# KiCad board we816.kicad_pcb
date: 20 jan 2013
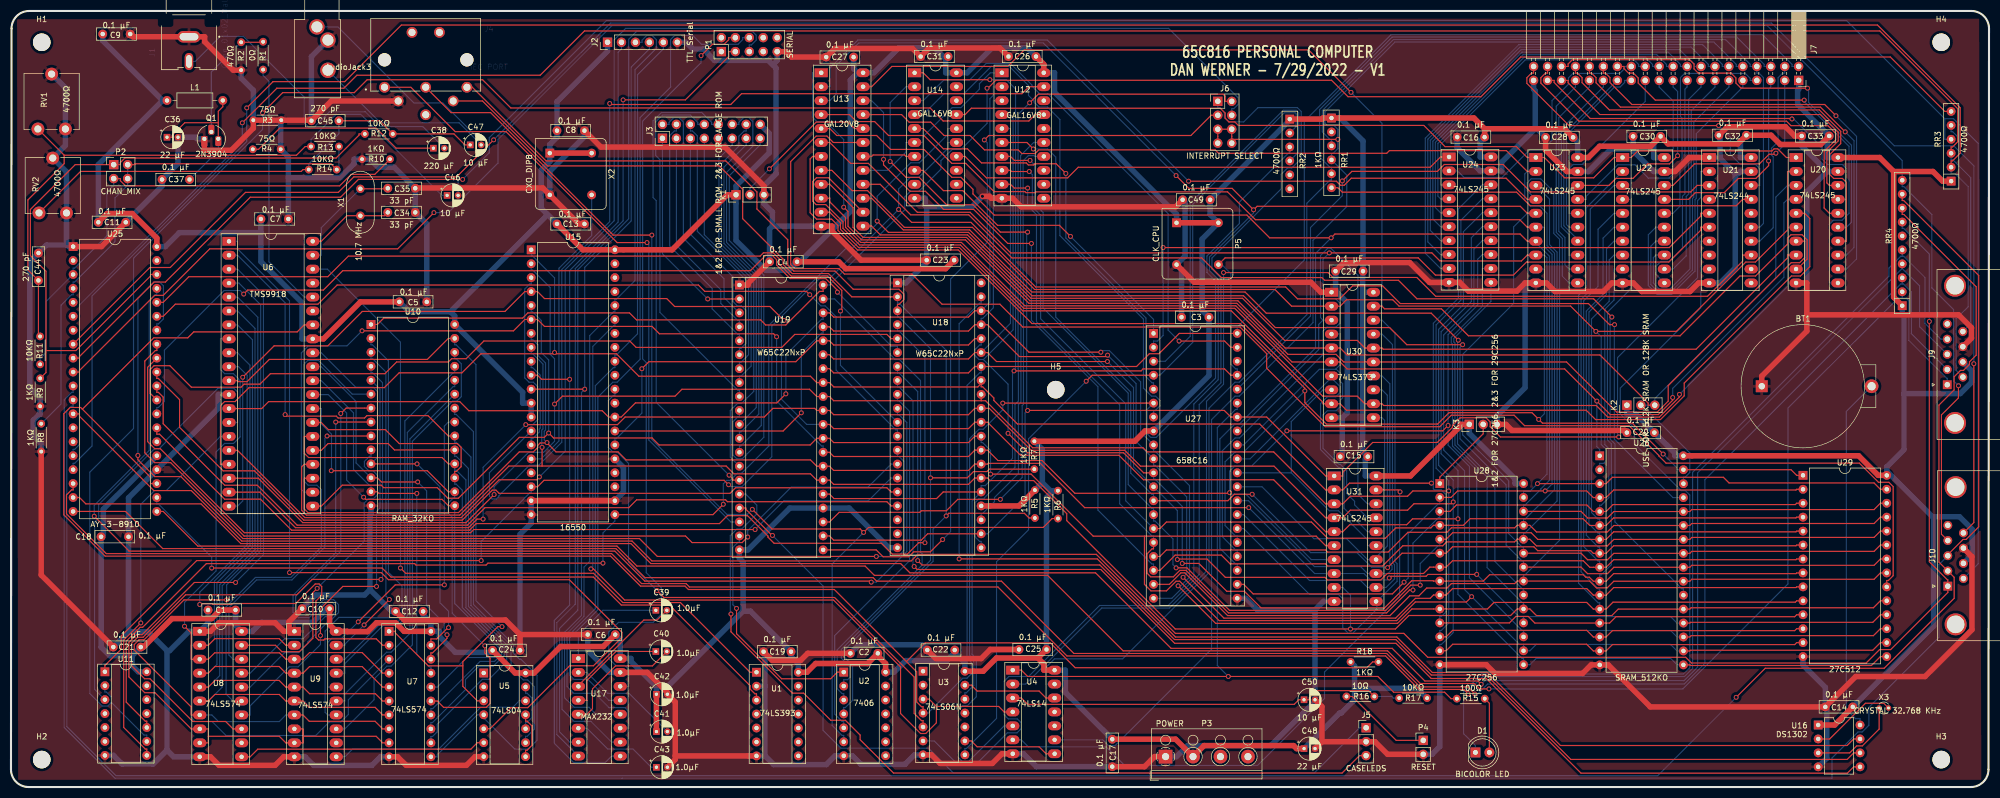
[diagram p0: board, top side]
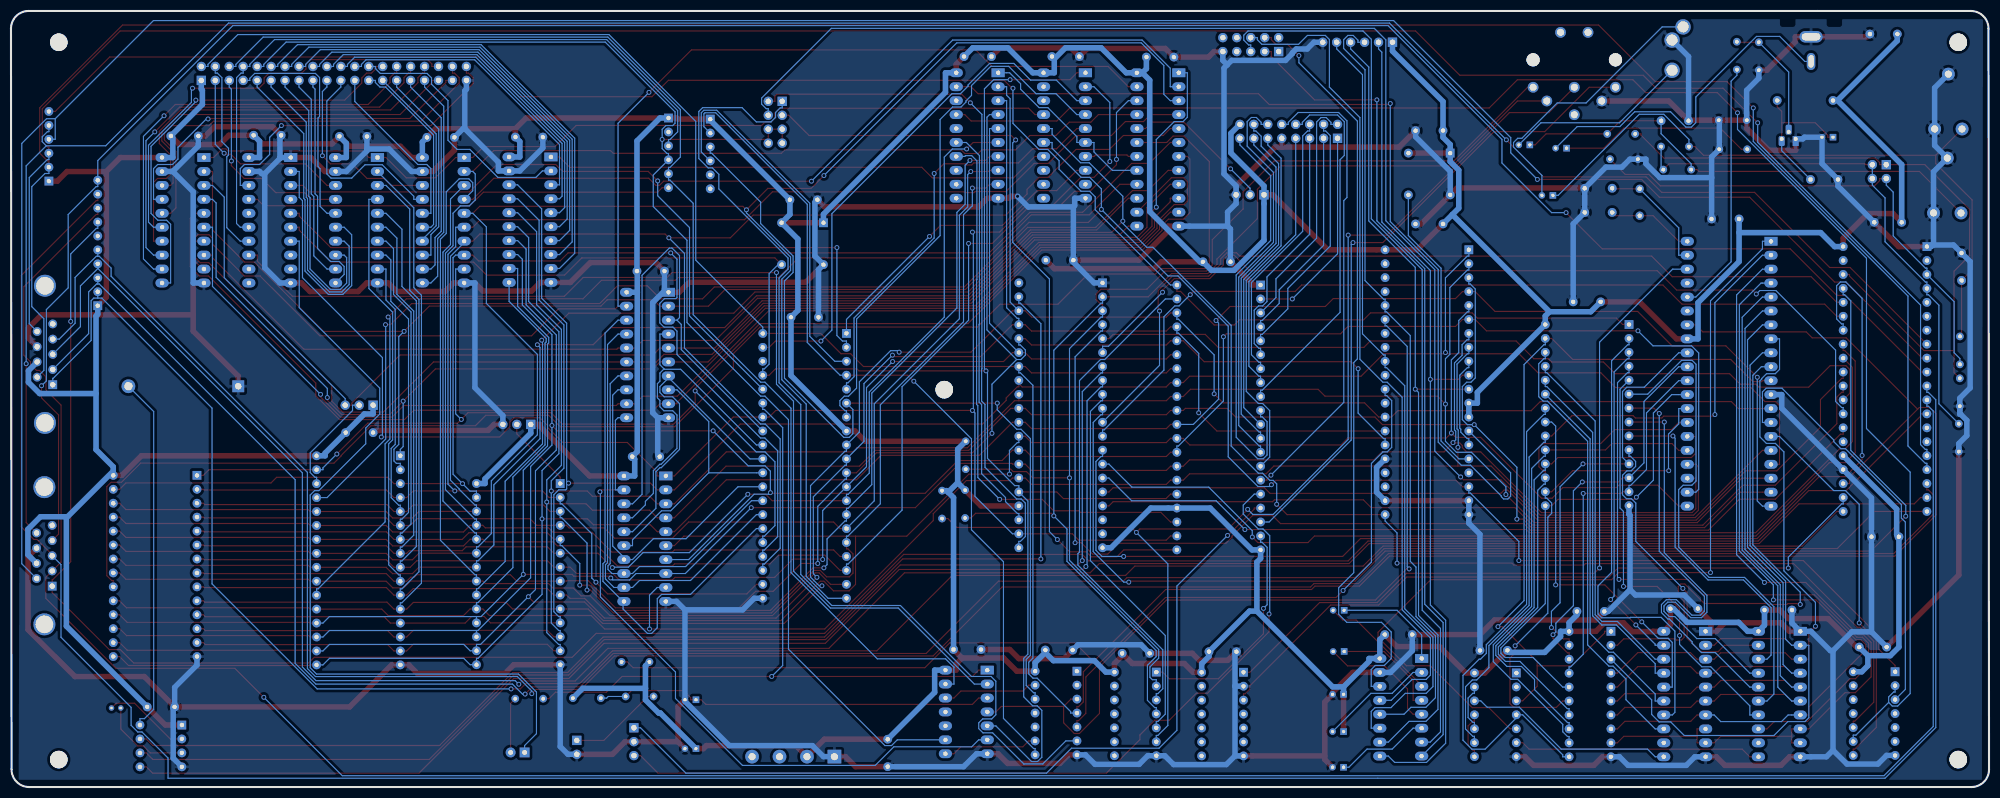
[diagram p1: board, bottom side, seen from below]

Outline 360.1 x 141.4 mm; copper layers: Component, Copper. Coordinates in mm from the lower left corner of the outline.
Outline path: 0,3.2 0.1,138.2 arc(1.04,140.46) 3.3,141.4 356.9,141.4 arc(359.16,140.46) 360.1,138.2 360,3.2 arc(359.06,0.94) 356.8,0 3.2,0 arc(0.94,0.94) 0,3.2

## Placement (name value [footprint] x y rotation side)
BT1  Battery_Cell  [Battery_Holder_Coin_2032_BS-7_FIXED]  318.73 73.03 0 top
C1  0.1 µF  [C_Rect_L7.0mm_W2.0mm_P5.00mm]  40.88 32.25 180 top
C2  0.1 µF  [C_Rect_L7.0mm_W2.0mm_P5.00mm]  157.81 24.36 180 top
C3  0.1 µF  [C_Rect_L7.0mm_W2.0mm_P5.00mm]  218.1 85.6 180 top
C4  0.1 µF  [C_Rect_L7.0mm_W2.0mm_P5.00mm]  143.1 95.7 180 top
C5  0.1 µF  [C_Rect_L7.0mm_W2.0mm_P5.00mm]  70.7 88.4 0 top
C6  0.1 µF  [C_Rect_L7.0mm_W2.0mm_P5.00mm]  110 27.78 180 top
C7  0.1 µF  [C_Rect_L7.0mm_W2.0mm_P5.00mm]  45.5 103.5 0 top
C8  0.1 µF  [C_Rect_L7.0mm_W2.0mm_P5.00mm]  99.4 119.6 0 top
C9  0.1 µF  [C_Rect_L7.0mm_W2.0mm_P5.00mm]  16.7 137.2 0 top
C10  0.1 µF  [C_Rect_L7.0mm_W2.0mm_P5.00mm]  58 32.5 180 top
C11  0.1 µF  [C_Rect_L7.0mm_W2.0mm_P5.00mm]  15.9 102.9 0 top
C12  0.1 µF  [C_Rect_L7.0mm_W2.0mm_P5.00mm]  75.03 32 180 top
C13  0.1 µF  [C_Rect_L7.0mm_W2.0mm_P5.00mm]  99.4 102.6 0 top
C14  0.1 µF  [C_Rect_L7.0mm_W2.0mm_P5.00mm]  335.3 14.6 180 top
C15  0.1 µF  [C_Rect_L7.0mm_W2.0mm_P5.00mm]  247 60.2 180 top
C16  0.1 µF  [C_Rect_L7.0mm_W2.0mm_P5.00mm]  268.27 118.42 180 top
C17  0.1 µF  [C_Rect_L7.0mm_W2.0mm_P5.00mm]  200.49 8.71 270 top
C18  0.1 µF  [C_Rect_L7.0mm_W2.0mm_P5.00mm]  16.4 45.6 0 top
C19  0.1 µF  [C_Rect_L7.0mm_W2.0mm_P5.00mm]  142.01 24.66 180 top
C20  0.1 µF  [C_Rect_L7.0mm_W2.0mm_P5.00mm]  299.18 64.57 180 top
C21  0.1 µF  [C_Rect_L7.0mm_W2.0mm_P5.00mm]  23.62 25.5 180 top
C22  0.1 µF  [C_Rect_L7.0mm_W2.0mm_P5.00mm]  171.81 24.96 180 top
C23  0.1 µF  [C_Rect_L7.0mm_W2.0mm_P5.00mm]  171.7 96 180 top
C24  0.1 µF  [C_Rect_L7.0mm_W2.0mm_P5.00mm]  87.67 24.9 0 top
C25  0.1 µF  [C_Rect_L7.0mm_W2.0mm_P5.00mm]  188.51 25.06 180 top
C26  0.1 µF  [C_Rect_L7.0mm_W2.0mm_P5.00mm]  186.6 133.1 180 top
C27  0.1 µF  [C_Rect_L7.0mm_W2.0mm_P5.00mm]  153.4 133 180 top
C28  0.1 µF  [C_Rect_L7.0mm_W2.0mm_P5.00mm]  284.38 118.38 180 top
C29  0.1 µF  [C_Rect_L7.0mm_W2.0mm_P5.00mm]  246.14 94 180 top
C30  0.1 µF  [C_Rect_L7.0mm_W2.0mm_P5.00mm]  300.3 118.55 180 top
C31  0.1 µF  [C_Rect_L7.0mm_W2.0mm_P5.00mm]  170.6 133.1 180 top
C32  0.1 µF  [C_Rect_L7.0mm_W2.0mm_P5.00mm]  315.93 118.75 180 top
C33  0.1 µF  [C_Rect_L7.0mm_W2.0mm_P5.00mm]  331 118.62 180 top
C34  33 pF  [C_Rect_L7.0mm_W2.0mm_P5.00mm]  68.6 104.7 0 top
C35  33 pF  [C_Rect_L7.0mm_W2.0mm_P5.00mm]  68.6 109.1 0 top
C36  22 µF  [CP_Radial_D4.0mm_P2.00mm]  28.4 118.4 0 top
C37  0.1 µF  [C_Rect_L7.0mm_W2.0mm_P5.00mm]  32.5 110.7 180 top
C38  220 µF  [CP_Radial_D4.0mm_P2.00mm]  76.9 116.4 0 top
C39  1.0µF  [CP_Radial_D4.0mm_P2.00mm]  117.4 32.2 0 top
C40  1.0µF  [CP_Radial_D4.0mm_P2.00mm]  117.4 24.7 0 top
C41  1.0µF  [CP_Radial_D4.0mm_P2.00mm]  117.5 10.1 0 top
C42  1.0µF  [CP_Radial_D4.0mm_P2.00mm]  117.5 16.9 0 top
C43  1.0µF  [CP_Radial_D4.0mm_P2.00mm]  117.5 3.6 0 top
C44  270 pF  [C_Rect_L7.0mm_W2.0mm_P5.00mm]  5 97.3 270 top
C45  270 pF  [C_Rect_L7.0mm_W2.0mm_P5.00mm]  59.7 121.4 180 top
C46  10 µF  [CP_Radial_D4.0mm_P2.00mm]  79.4 107.8 0 top
C47  10 µF  [CP_Radial_D4.0mm_P2.00mm]  83.6 117 0 top
C48  22 µF  [CP_Radial_D4.0mm_P2.00mm]  235.4 7 0 top
C49  0.1 µF  [C_Rect_L7.0mm_W2.0mm_P5.00mm]  218.3 107 180 top
C50  10 µF  [CP_Radial_D4.0mm_P2.00mm]  235.4 15.9 0 top
D1  BICOLOR LED  [LED_D5.0mm]  266.6 6.3 0 top
H1  MountingHole  [MountingHole_3.2mm_M3]  5.6 135.7 0 top
H2  MountingHole  [MountingHole_3.2mm_M3]  5.6 5 0 top
H3  MountingHole  [MountingHole_3.2mm_M3]  351.4 5 0 top
H4  MountingHole  [MountingHole_3.2mm_M3]  351.4 135.7 0 top
H5  MountingHole  [MountingHole_3.2mm_M3]  190.2 72.4 0 top
J1  Conn_01x02_Male  [CUI_RCJ-041]  32.4 140.7 90 top
J2  TTL Serial  [PinHeader_1x06_P2.54mm_Vertical]  108.6 135.7 90 top
J3  KEYBOARD  [PinHeader_2x08_P2.54mm_Vertical]  118.6 118.2 90 top
J4  IEC PORT  [din6]  75.5 127.5 180 top
J5  CASELEDS  [PinHeader_1x03_P2.54mm_Vertical]  246.7 10.8 0 top
J6  INTERRUPT SELECT  [PinHeader_2x04_P2.54mm_Vertical]  219.7 124.94 0 top
J7  expansion port  [PinSocket_2x20_P2.54mm_Horizontal]  325.45 128.75 270 top
J8  AudioJack3  [Jack_3.5mm_CUI_SJ1-3533NG_Horizontal_CircularHoles]  55.7 138.5 0 top
J9  DB9_Male  [DSUB-9_Male_Horizontal_P2.77x2.84mm_EdgePinOffset9.90mm_Housed_MountingHolesOffset11.32mm]  352.5 73.3 90 top
J10  DB9_Male  [DSUB-9_Male_Horizontal_P2.77x2.84mm_EdgePinOffset9.90mm_Housed_MountingHolesOffset11.32mm]  352.6 36.6 90 top
K1  1&2 FOR SMALL ROM, 2&3 FOR LARGE ROM  [PinHeader_1x03_P2.54mm_Vertical]  131.99 107.91 90 top
K2  USE FOR 512K SRAM OR 128K SRAM  [PinHeader_1x03_P2.54mm_Vertical]  294.18 69.57 90 top
K3  1&2 FOR 27C256, 2&3 FOR 29C256  [PinHeader_1x03_P2.54mm_Vertical]  265.48 66.07 90 top
L1  INDUCTOR (BEAD)  [R_Axial_DIN0207_L6.3mm_D2.5mm_P10.16mm_Horizontal]  28.4 125.1 0 top
P1  SERIAL  [PinHeader_2x05_P2.54mm_Vertical]  129.32 134 90 top
P2  CHAN_MIX  [PinHeader_2x02_P2.54mm_Vertical]  18.7 113.4 0 top
P3  POWER  [TerminalBlock_RND_205-00003_1x04_P5.00mm_Horizontal]  210.19 5.54 0 top
P4  RESET  [PinHeader_1x02_P2.54mm_Vertical]  257.1 8.5 0 top
P5  CLK_CPU  [Oscillator_DIP-8]  212.19 102.81 270 top
Q1  2N3904  [TO-92L_HandSolder]  35.2 118.1 0 top
R1  0Ω  [R_Axial_DIN0204_L3.6mm_D1.6mm_P5.08mm_Horizontal]  45.9 135.8 270 top
R2  470Ω  [R_Axial_DIN0204_L3.6mm_D1.6mm_P5.08mm_Horizontal]  41.9 135.7 270 top
R3  75Ω  [R_Axial_DIN0204_L3.6mm_D1.6mm_P5.08mm_Horizontal]  49.2 121.5 180 top
R4  75Ω  [R_Axial_DIN0204_L3.6mm_D1.6mm_P5.08mm_Horizontal]  49.1 116.2 180 top
R5  1KΩ  [R_Axial_DIN0204_L3.6mm_D1.6mm_P5.08mm_Horizontal]  186.4 54.1 270 top
R6  1KΩ  [R_Axial_DIN0204_L3.6mm_D1.6mm_P5.08mm_Horizontal]  190.6 54 270 top
R7  1KΩ  [R_Axial_DIN0204_L3.6mm_D1.6mm_P5.08mm_Horizontal]  186.3 63 270 top
R8  1KΩ  [R_Axial_DIN0204_L3.6mm_D1.6mm_P5.08mm_Horizontal]  5.5 66.2 270 top
R9  1KΩ  [R_Axial_DIN0204_L3.6mm_D1.6mm_P5.08mm_Horizontal]  5.31 74.47 270 top
R10  1KΩ  [R_Axial_DIN0204_L3.6mm_D1.6mm_P5.08mm_Horizontal]  69 114.4 180 top
R11  10KΩ  [R_Axial_DIN0204_L3.6mm_D1.6mm_P5.08mm_Horizontal]  5.3 82.1 270 top
R12  10KΩ  [R_Axial_DIN0204_L3.6mm_D1.6mm_P5.08mm_Horizontal]  69.5 119 180 top
R13  10KΩ  [R_Axial_DIN0204_L3.6mm_D1.6mm_P5.08mm_Horizontal]  59.7 116.7 180 top
R14  10KΩ  [R_Axial_DIN0204_L3.6mm_D1.6mm_P5.08mm_Horizontal]  59.3 112.5 180 top
R15  100Ω  [R_Axial_DIN0204_L3.6mm_D1.6mm_P5.08mm_Horizontal]  268.3 16.1 180 top
R16  10Ω  [R_Axial_DIN0204_L3.6mm_D1.6mm_P5.08mm_Horizontal]  248.2 16.5 180 top
R17  10KΩ  [R_Axial_DIN0204_L3.6mm_D1.6mm_P5.08mm_Horizontal]  257.8 16.2 180 top
R18  1KΩ  [R_Axial_DIN0204_L3.6mm_D1.6mm_P5.08mm_Horizontal]  243.87 22.8 0 top
RR1  1KΩ  [R_Array_SIP6]  240.4 121.9 270 top
RR2  4700Ω  [R_Array_SIP6]  232.8 121.7 270 top
RR3  4700Ω  [R_Array_SIP6]  353.2 110.4 90 top
RR4  4700Ω  [R_Array_SIP10]  344.3 87.7 90 top
RV1  4700Ω  [Potentiometer_ACP_CA9-V10_Vertical]  9.9 119.9 90 top
RV2  4700Ω  [Potentiometer_ACP_CA9-V10_Vertical]  10.1 104.6 90 top
U1  74LS393  [DIP-14_W7.62mm_Socket]  135.72 20.91 0 top
U2  7406  [DIP-14_W7.62mm_Socket]  151.6 20.94 0 top
U3  74LS06N  [DIP-14_W7.62mm_Socket]  166.04 21.1 0 top
U4  74LS14  [DIP-14_W7.62mm_Socket_LongPads]  182.37 21.3 0 top
U5  74LS04  [DIP-14_W7.62mm_Socket]  86.06 20.78 0 top
U6  TMS9918  [DIP-40_W15.24mm_Socket_LongPads]  39.69 99.44 0 top
U7  74LS574  [DIP-20_W7.62mm_Socket]  68.83 28.37 0 top
U8  74LS574  [DIP-20_W7.62mm_Socket_LongPads]  34.36 28.37 0 top
U9  74LS574  [DIP-20_W7.62mm_Socket_LongPads]  51.59 28.37 0 top
U10  RAM_32KO  [DIP-28_W15.24mm]  65.54 84.28 0 top
U11  74LS32  [DIP-14_W7.62mm_Socket]  17.1 21 0 top
U12  GAL16V8  [DIP-20_W7.62mm_Socket_LongPads]  180.4 130.14 0 top
U13  GAL20V8  [DIP-24_W7.62mm_Socket_LongPads]  147.5 130.14 0 top
U14  GAL16V8  [DIP-20_W7.62mm_Socket_LongPads]  164.5 130.14 0 top
U15  16550  [DIP-40_W15.24mm]  94.7 97.89 0 top
U16  DS1302  [DIP-8_W7.62mm]  329 11.3 0 top
U17  MAX232  [DIP-16_W7.62mm_Socket_LongPads]  103.29 23.42 0 top
U18  W65C22NxP  [DIP-40_W15.24mm_Socket]  161.38 91.86 0 top
U19  W65C22NxP  [DIP-40_W15.24mm_Socket]  132.61 91.47 0 top
U20  74LS245  [DIP-20_W7.62mm_Socket_LongPads]  324.98 114.7 0 top
U21  74LS244  [DIP-20_W7.62mm_Socket_LongPads]  309.18 114.7 0 top
U22  74LS245  [DIP-20_W7.62mm_Socket_LongPads]  293.39 114.7 0 top
U23  74LS245  [DIP-20_W7.62mm_Socket_LongPads]  277.59 114.7 0 top
U24  74LS245  [DIP-20_W7.62mm_Socket_LongPads]  261.8 114.8 0 top
U25  AY-3-8910  [DIP-40_W15.24mm]  11.31 98.47 0 top
U26  SRAM_512KO  [DIP-32_W15.24mm]  289.23 60.35 0 top
U27  658C16  [DIP-40_W15.24mm_Socket]  208 82.65 0 top
U28  27C256  [DIP-28_W15.24mm]  260.12 55.31 0 top
U29  27C512  [DIP-28_W15.24mm]  326.24 56.79 0 top
U30  74LS373  [DIP-20_W7.62mm_Socket_LongPads]  240.41 90.15 0 top
U31  74LS245  [DIP-20_W7.62mm_Socket_LongPads]  240.89 56.68 0 top
X1  10.7 MHz  [Crystal_HC18-U_Vertical]  63.6 104.1 90 top
X2  CXO_DIP8  [Oscillator_DIP-8]  98.09 115.51 270 top
X3  CRYSTAL 32.768 KHz  [Crystal_Round_D1.5mm_Vertical]  340.1 14.4 0 top

## Library data of the parts
X3 = -: Field1: 32.768 KHz

## Footprints (pads in the part's own frame, mm; a bottom-side part is the same pattern mirrored in y, then rotated)
Battery_Holder_Coin_2032_BS-7_FIXED
  round 2.5 hole 1.5: 1(20,0)
  rect 2.17x2.17 hole 1.17: 2(0,0)
C_Rect_L7.0mm_W2.0mm_P5.00mm
  round 1.6 hole 0.8: 1(0,0) 2(5,0)
CP_Radial_D4.0mm_P2.00mm
  rect 1.2x1.2 hole 0.6: 1(0,0)
  round 1.2 hole 0.6: 2(2,0)
Crystal_HC18-U_Vertical
  round 1.5 hole 0.8: 1(0,0) 2(4.9,0)
Crystal_Round_D1.5mm_Vertical
  round 1 hole 0.5: 1(0,0) 2(1.7,0)
CUI_RCJ-041
  oval 2.1x4.2 hole 1.3x3.4: 1(-4,0)
  oval 3.1x1.55 hole 2.3x1: 2(-8.5,0)
din6
  round 2.4 hole 2.4 unplated: (-7.5,-5) (7.5,-5)
  round 1.95 hole 1.3: 1(7.5,0) 2(5,2.5) 3(0,0) 4(-5,2.5) 5(-7.5,0) 6(0,5) S1(-2.5,-10) S2(2.5,-10)
DIP-8_W7.62mm
  rect 1.6x1.6 hole 0.8: 1(0,0)
  oval 1.6x1.6 hole 0.8: 2(0,-2.54) 3(0,-5.08) 4(0,-7.62) 5(7.62,-7.62) 6(7.62,-5.08) 7(7.62,-2.54) 8(7.62,0)
DIP-14_W7.62mm_Socket
  rect 1.6x1.6 hole 0.8: 1(0,0)
  oval 1.6x1.6 hole 0.8: 2(0,-2.54) 3(0,-5.08) 4(0,-7.62) 5(0,-10.16) 6(0,-12.7) 7(0,-15.24) 8(7.62,-15.24) 9(7.62,-12.7) 10(7.62,-10.16) 11(7.62,-7.62) 12(7.62,-5.08) 13(7.62,-2.54) 14(7.62,0)
DIP-14_W7.62mm_Socket_LongPads
  rect 2.4x1.6 hole 0.8: 1(0,0)
  oval 2.4x1.6 hole 0.8: 2(0,-2.54) 3(0,-5.08) 4(0,-7.62) 5(0,-10.16) 6(0,-12.7) 7(0,-15.24) 8(7.62,-15.24) 9(7.62,-12.7) 10(7.62,-10.16) 11(7.62,-7.62) 12(7.62,-5.08) 13(7.62,-2.54) 14(7.62,0)
DIP-16_W7.62mm_Socket_LongPads
  rect 2.4x1.6 hole 0.8: 1(0,0)
  oval 2.4x1.6 hole 0.8: 2(0,-2.54) 3(0,-5.08) 4(0,-7.62) 5(0,-10.16) 6(0,-12.7) 7(0,-15.24) 8(0,-17.78) 9(7.62,-17.78) 10(7.62,-15.24) 11(7.62,-12.7) 12(7.62,-10.16) 13(7.62,-7.62) 14(7.62,-5.08) 15(7.62,-2.54) 16(7.62,0)
DIP-20_W7.62mm_Socket
  rect 1.6x1.6 hole 0.8: 1(0,0)
  oval 1.6x1.6 hole 0.8: 2(0,-2.54) 3(0,-5.08) 4(0,-7.62) 5(0,-10.16) 6(0,-12.7) 7(0,-15.24) 8(0,-17.78) 9(0,-20.32) 10(0,-22.86) 11(7.62,-22.86) 12(7.62,-20.32) 13(7.62,-17.78) 14(7.62,-15.24) 15(7.62,-12.7) 16(7.62,-10.16) 17(7.62,-7.62) 18(7.62,-5.08) 19(7.62,-2.54) 20(7.62,0)
DIP-20_W7.62mm_Socket_LongPads
  rect 2.4x1.6 hole 0.8: 1(0,0)
  oval 2.4x1.6 hole 0.8: 2(0,-2.54) 3(0,-5.08) 4(0,-7.62) 5(0,-10.16) 6(0,-12.7) 7(0,-15.24) 8(0,-17.78) 9(0,-20.32) 10(0,-22.86) 11(7.62,-22.86) 12(7.62,-20.32) 13(7.62,-17.78) 14(7.62,-15.24) 15(7.62,-12.7) 16(7.62,-10.16) 17(7.62,-7.62) 18(7.62,-5.08) 19(7.62,-2.54) 20(7.62,0)
DIP-24_W7.62mm_Socket_LongPads
  rect 2.4x1.6 hole 0.8: 1(0,0)
  oval 2.4x1.6 hole 0.8: 2(0,-2.54) 3(0,-5.08) 4(0,-7.62) 5(0,-10.16) 6(0,-12.7) 7(0,-15.24) 8(0,-17.78) 9(0,-20.32) 10(0,-22.86) 11(0,-25.4) 12(0,-27.94) 13(7.62,-27.94) 14(7.62,-25.4) 15(7.62,-22.86) 16(7.62,-20.32) 17(7.62,-17.78) 18(7.62,-15.24) 19(7.62,-12.7) 20(7.62,-10.16) 21(7.62,-7.62) 22(7.62,-5.08) 23(7.62,-2.54) 24(7.62,0)
DIP-28_W15.24mm
  rect 1.6x1.6 hole 0.8: 1(0,0)
  oval 1.6x1.6 hole 0.8: 2(0,-2.54) 3(0,-5.08) 4(0,-7.62) 5(0,-10.16) 6(0,-12.7) 7(0,-15.24) 8(0,-17.78) 9(0,-20.32) 10(0,-22.86) 11(0,-25.4) 12(0,-27.94) 13(0,-30.48) 14(0,-33.02) 15(15.24,-33.02) 16(15.24,-30.48) 17(15.24,-27.94) 18(15.24,-25.4) 19(15.24,-22.86) 20(15.24,-20.32) 21(15.24,-17.78) 22(15.24,-15.24) 23(15.24,-12.7) 24(15.24,-10.16) 25(15.24,-7.62) 26(15.24,-5.08) 27(15.24,-2.54) 28(15.24,0)
DIP-32_W15.24mm
  rect 1.6x1.6 hole 0.8: 1(0,0)
  oval 1.6x1.6 hole 0.8: 2(0,-2.54) 3(0,-5.08) 4(0,-7.62) 5(0,-10.16) 6(0,-12.7) 7(0,-15.24) 8(0,-17.78) 9(0,-20.32) 10(0,-22.86) 11(0,-25.4) 12(0,-27.94) 13(0,-30.48) 14(0,-33.02) 15(0,-35.56) 16(0,-38.1) 17(15.24,-38.1) 18(15.24,-35.56) 19(15.24,-33.02) 20(15.24,-30.48) 21(15.24,-27.94) 22(15.24,-25.4) 23(15.24,-22.86) 24(15.24,-20.32) 25(15.24,-17.78) 26(15.24,-15.24) 27(15.24,-12.7) 28(15.24,-10.16) 29(15.24,-7.62) 30(15.24,-5.08) 31(15.24,-2.54) 32(15.24,0)
DIP-40_W15.24mm
  rect 1.6x1.6 hole 0.8: 1(0,0)
  oval 1.6x1.6 hole 0.8: 2(0,-2.54) 3(0,-5.08) 4(0,-7.62) 5(0,-10.16) 6(0,-12.7) 7(0,-15.24) 8(0,-17.78) 9(0,-20.32) 10(0,-22.86) 11(0,-25.4) 12(0,-27.94) 13(0,-30.48) 14(0,-33.02) 15(0,-35.56) 16(0,-38.1) 17(0,-40.64) 18(0,-43.18) 19(0,-45.72) 20(0,-48.26) 21(15.24,-48.26) 22(15.24,-45.72) 23(15.24,-43.18) 24(15.24,-40.64) 25(15.24,-38.1) 26(15.24,-35.56) 27(15.24,-33.02) 28(15.24,-30.48) 29(15.24,-27.94) 30(15.24,-25.4) 31(15.24,-22.86) 32(15.24,-20.32) 33(15.24,-17.78) 34(15.24,-15.24) 35(15.24,-12.7) 36(15.24,-10.16) 37(15.24,-7.62) 38(15.24,-5.08) 39(15.24,-2.54) 40(15.24,0)
DIP-40_W15.24mm_Socket
  rect 1.6x1.6 hole 0.8: 1(0,0)
  oval 1.6x1.6 hole 0.8: 2(0,-2.54) 3(0,-5.08) 4(0,-7.62) 5(0,-10.16) 6(0,-12.7) 7(0,-15.24) 8(0,-17.78) 9(0,-20.32) 10(0,-22.86) 11(0,-25.4) 12(0,-27.94) 13(0,-30.48) 14(0,-33.02) 15(0,-35.56) 16(0,-38.1) 17(0,-40.64) 18(0,-43.18) 19(0,-45.72) 20(0,-48.26) 21(15.24,-48.26) 22(15.24,-45.72) 23(15.24,-43.18) 24(15.24,-40.64) 25(15.24,-38.1) 26(15.24,-35.56) 27(15.24,-33.02) 28(15.24,-30.48) 29(15.24,-27.94) 30(15.24,-25.4) 31(15.24,-22.86) 32(15.24,-20.32) 33(15.24,-17.78) 34(15.24,-15.24) 35(15.24,-12.7) 36(15.24,-10.16) 37(15.24,-7.62) 38(15.24,-5.08) 39(15.24,-2.54) 40(15.24,0)
DIP-40_W15.24mm_Socket_LongPads
  rect 2.4x1.6 hole 0.8: 1(0,0)
  oval 2.4x1.6 hole 0.8: 2(0,-2.54) 3(0,-5.08) 4(0,-7.62) 5(0,-10.16) 6(0,-12.7) 7(0,-15.24) 8(0,-17.78) 9(0,-20.32) 10(0,-22.86) 11(0,-25.4) 12(0,-27.94) 13(0,-30.48) 14(0,-33.02) 15(0,-35.56) 16(0,-38.1) 17(0,-40.64) 18(0,-43.18) 19(0,-45.72) 20(0,-48.26) 21(15.24,-48.26) 22(15.24,-45.72) 23(15.24,-43.18) 24(15.24,-40.64) 25(15.24,-38.1) 26(15.24,-35.56) 27(15.24,-33.02) 28(15.24,-30.48) 29(15.24,-27.94) 30(15.24,-25.4) 31(15.24,-22.86) 32(15.24,-20.32) 33(15.24,-17.78) 34(15.24,-15.24) 35(15.24,-12.7) 36(15.24,-10.16) 37(15.24,-7.62) 38(15.24,-5.08) 39(15.24,-2.54) 40(15.24,0)
DSUB-9_Male_Horizontal_P2.77x2.84mm_EdgePinOffset9.90mm_Housed_MountingHolesOffset11.32mm
  round 4 hole 3.2: 0(-6.96,-1.42) 0(18.04,-1.42)
  rect 1.6x1.6 hole 1: 1(0,0)
  round 1.6 hole 1: 2(2.77,0) 3(5.54,0) 4(8.31,0) 5(11.08,0) 6(1.385,-2.84) 7(4.155,-2.84) 8(6.925,-2.84) 9(9.695,-2.84)
Jack_3.5mm_CUI_SJ1-3533NG_Horizontal_CircularHoles
  round 2.8 hole 2: R(2,-7.9) S(0,0) T(2,-2.4)
LED_D5.0mm
  rect 1.8x1.8 hole 0.9: 1(0,0)
  round 1.8 hole 0.9: 2(2.54,0)
MountingHole_3.2mm_M3
  round 3.2 hole 3.2 unplated: (0,0)
Oscillator_DIP-8
  rect 1.6x1.6 hole 0.8: 1(0,0)
  round 1.6 hole 0.8: 4(7.62,0) 5(7.62,7.62) 8(0,7.62)
PinHeader_1x02_P2.54mm_Vertical
  rect 1.7x1.7 hole 1: 1(0,0)
  oval 1.7x1.7 hole 1: 2(0,-2.54)
PinHeader_1x03_P2.54mm_Vertical
  rect 1.7x1.7 hole 1: 1(0,0)
  oval 1.7x1.7 hole 1: 2(0,-2.54) 3(0,-5.08)
PinHeader_1x06_P2.54mm_Vertical
  rect 1.7x1.7 hole 1: 1(0,0)
  oval 1.7x1.7 hole 1: 2(0,-2.54) 3(0,-5.08) 4(0,-7.62) 5(0,-10.16) 6(0,-12.7)
PinHeader_2x02_P2.54mm_Vertical
  rect 1.7x1.7 hole 1: 1(0,0)
  oval 1.7x1.7 hole 1: 2(2.54,0) 3(0,-2.54) 4(2.54,-2.54)
PinHeader_2x04_P2.54mm_Vertical
  rect 1.7x1.7 hole 1: 1(0,0)
  oval 1.7x1.7 hole 1: 2(2.54,0) 3(0,-2.54) 4(2.54,-2.54) 5(0,-5.08) 6(2.54,-5.08) 7(0,-7.62) 8(2.54,-7.62)
PinHeader_2x05_P2.54mm_Vertical
  rect 1.7x1.7 hole 1: 1(0,0)
  oval 1.7x1.7 hole 1: 2(2.54,0) 3(0,-2.54) 4(2.54,-2.54) 5(0,-5.08) 6(2.54,-5.08) 7(0,-7.62) 8(2.54,-7.62) 9(0,-10.16) 10(2.54,-10.16)
PinHeader_2x08_P2.54mm_Vertical
  rect 1.7x1.7 hole 1: 1(0,0)
  oval 1.7x1.7 hole 1: 2(2.54,0) 3(0,-2.54) 4(2.54,-2.54) 5(0,-5.08) 6(2.54,-5.08) 7(0,-7.62) 8(2.54,-7.62) 9(0,-10.16) 10(2.54,-10.16) 11(0,-12.7) 12(2.54,-12.7) 13(0,-15.24) 14(2.54,-15.24) 15(0,-17.78) 16(2.54,-17.78)
PinSocket_2x20_P2.54mm_Horizontal
  rect 1.7x1.7 hole 1: 1(0,0)
  oval 1.7x1.7 hole 1: 2(-2.54,0) 3(0,-2.54) 4(-2.54,-2.54) 5(0,-5.08) 6(-2.54,-5.08) 7(0,-7.62) 8(-2.54,-7.62) 9(0,-10.16) 10(-2.54,-10.16) 11(0,-12.7) 12(-2.54,-12.7) 13(0,-15.24) 14(-2.54,-15.24) 15(0,-17.78) 16(-2.54,-17.78) 17(0,-20.32) 18(-2.54,-20.32) 19(0,-22.86) 20(-2.54,-22.86) 21(0,-25.4) 22(-2.54,-25.4) 23(0,-27.94) 24(-2.54,-27.94) 25(0,-30.48) 26(-2.54,-30.48) 27(0,-33.02) 28(-2.54,-33.02) 29(0,-35.56) 30(-2.54,-35.56) 31(0,-38.1) 32(-2.54,-38.1) 33(0,-40.64) 34(-2.54,-40.64) 35(0,-43.18) 36(-2.54,-43.18) 37(0,-45.72) 38(-2.54,-45.72) 39(0,-48.26) 40(-2.54,-48.26)
Potentiometer_ACP_CA9-V10_Vertical
  round 2.34 hole 1.3: 1(0,0) 2(10,2.5) 3(0,5)
R_Array_SIP6
  rect 1.6x1.6 hole 0.8: 1(0,0)
  oval 1.6x1.6 hole 0.8: 2(2.54,0) 3(5.08,0) 4(7.62,0) 5(10.16,0) 6(12.7,0)
R_Array_SIP10
  rect 1.6x1.6 hole 0.8: 1(0,0)
  oval 1.6x1.6 hole 0.8: 2(2.54,0) 3(5.08,0) 4(7.62,0) 5(10.16,0) 6(12.7,0) 7(15.24,0) 8(17.78,0) 9(20.32,0) 10(22.86,0)
R_Axial_DIN0204_L3.6mm_D1.6mm_P5.08mm_Horizontal
  round 1.4 hole 0.7: 1(0,0)
  oval 1.4x1.4 hole 0.7: 2(5.08,0)
R_Axial_DIN0207_L6.3mm_D2.5mm_P10.16mm_Horizontal
  round 1.6 hole 0.8: 1(0,0)
  oval 1.6x1.6 hole 0.8: 2(10.16,0)
TerminalBlock_RND_205-00003_1x04_P5.00mm_Horizontal
  rect 2.5x2.5 hole 1.3: 1(0,0)
  round 2.5 hole 1.3: 2(5,0) 3(10,0) 4(15,0)
TO-92L_HandSolder
  rect 1.1x1.8 hole 0.75: 1(0,0)
  rrect 1.1x1.8 hole 0.75: 2(1.27,1.27) 3(2.54,0)

## Nets
GND: BT1.2 C1.2 C2.2 C3.2 C4.2 C5.2 C6.2 C7.2 C8.2 C9.2 C10.2 C11.2 C12.2 C13.2 C14.2 C15.2 C16.2 C17.2 C18.2 C19.2 C20.2 C21.2 C22.2 C23.2 C24.2 C25.2 C26.2 C27.2 C28.2 C29.2 C30.2 C31.2 C32.2 C33.2 C34.2 C35.2 C36.2 C37.2 C42.2 C43.2 C44.1 C45.2 C48.2 C49.2 C50.2 J1.1 J2.6 J3.9 J4.2 J5.2 J7.39 J8.T J9.8 J10.8 K1.3 K3.3 P1.9 P3.1 P4.2 P5.4 Q1.1 R2.2 R3.1 R3.2 R4.1 R8.2 R9.2 R10.2 RV1.1 RV1.2 RV2.1 RV2.2 U1.2 U1.7 U2.7 U3.7 U4.7 U5.7 U6.12 U7.10 U8.1 U8.10 U9.1 U9.10 U10.14 U11.7 U12.10 U13.12 U14.10 U15.19 U15.20 U15.22 U15.25 U16.4 U17.15 U18.1 U19.1 U20.10 U20.19 U21.1 U21.10 U21.19 U22.10 U22.19 U23.10 U23.19 U24.10 U24.19 U25.1 U25.24 U26.16 U27.21 U28.14 U29.14 U30.1 U30.10 U31.10 X2.4
VCC: C1.1 C2.1 C3.1 C4.1 C5.1 C6.1 C7.1 C8.1 C9.1 C10.1 C11.1 C12.1 C13.1 C14.1 C15.1 C16.1 C17.1 C18.1 C19.1 C20.1 C21.1 C22.1 C23.1 C24.1 C25.1 C26.1 C27.1 C28.1 C29.1 C30.1 C31.1 C32.1 C33.1 C41.1 C42.1 C48.1 C49.1 J2.1 J3.16 J7.1 J9.7 J10.7 K1.1 K2.1 K3.1 L1.1 P3.2 P5.1 P5.8 R5.1 R6.1 R7.1 R17.1 R18.1 RR1.1 RR2.1 RR3.1 RR4.1 U1.14 U2.14 U3.14 U4.14 U5.14 U6.33 U7.20 U8.20 U9.20 U10.28 U11.14 U12.20 U13.24 U14.20 U15.12 U15.13 U15.40 U16.1 U17.16 U18.20 U18.24 U19.20 U19.24 U20.20 U21.20 U22.20 U23.20 U24.20 U25.25 U25.40 U26.32 U27.8 U28.28 U29.28 U30.20 U31.20 X2.1 X2.8
/Video/COMVID: C38.2 J1.2
A0: U6.13 U12.2 U15.28 U18.38 U19.38 U22.2 U26.12 U27.9 U28.10 U29.10
A1: U12.3 U15.27 U18.37 U19.37 U22.3 U26.11 U27.10 U28.9 U29.9
A2: U12.4 U15.26 U18.36 U19.36 U22.4 U26.10 U27.11 U28.8 U29.8
A3: U12.5 U18.35 U19.35 U22.5 U26.9 U27.12 U28.7 U29.7
A4: U12.6 U22.6 U26.8 U27.13 U28.6 U29.6
A5: U12.7 U22.7 U26.7 U27.14 U28.5 U29.5
A6: U12.8 U22.8 U26.6 U27.15 U28.4 U29.4
A7: U12.9 U22.9 U26.5 U27.16 U28.3 U29.3
A8: U13.21 U23.2 U26.27 U27.17 U28.25 U29.25
A9: U13.22 U23.3 U26.26 U27.18 U28.24 U29.24
A10: U13.2 U23.4 U26.23 U27.19 U28.21 U29.21
A11: U13.3 U23.5 U26.25 U27.20 U28.23 U29.23
A12: U13.4 U23.6 U26.4 U27.22 U28.2 U29.2
A13: U13.5 U23.7 U26.28 U27.23 U28.26 U29.26
A14: U13.6 U23.8 U26.3 U27.24 U28.27 U29.27
A15: U13.7 U23.9 U26.31 U27.25 U29.1
A16: U13.8 U20.2 U26.2 U30.2
A17: K2.3 U13.9 U20.3 U30.5
A18: U13.10 U20.4 U26.1 U30.6
A19: U13.11 U20.5 U30.9
A20: U13.14 U20.6 U30.12
A21: U13.1 U20.7 U30.15
A22: U13.13 U20.8 U30.16
A23: U13.23 U20.9 U30.19
ABORT: RR2.4 U27.3
AD0: U27.33 U30.3 U31.18
AD1: U27.32 U30.4 U31.17
AD2: U27.31 U30.7 U31.16
AD3: U27.30 U30.8 U31.15
AD4: U27.29 U30.13 U31.14
AD5: U27.28 U30.14 U31.13
AD6: U27.27 U30.17 U31.12
AD7: U27.26 U30.18 U31.11
B_A0: J7.3 U22.18
B_A1: J7.5 U22.17
B_A2: J7.7 U22.16
B_A3: J7.9 U22.15
B_A4: J7.11 U22.14
B_A5: J7.13 U22.13
B_A6: J7.15 U22.12
B_A7: J7.17 U22.11
B_A8: J7.19 U23.18
B_A9: J7.21 U23.17
B_A10: J7.23 U23.16
B_A11: J7.25 U23.15
B_A12: J7.27 U23.14
B_A13: J7.29 U23.13
B_A14: J7.31 U23.12
B_A15: J7.33 U23.11
B_A16: J7.35 U20.18
B_A17: J7.37 U20.17
B_A18: J7.38 U20.16
B_A19: J7.36 U20.15
B_A20: J7.34 U20.14
B_A21: J7.32 U20.13
B_A22: J7.30 U20.12
B_A23: J7.28 U20.11
B_BUSRQ: RR1.6 U21.17
B_CLK_CPU: J7.4 U21.14
B_D0: J7.26 U24.2
B_D1: J7.24 U24.3
B_D2: J7.22 U24.4
B_D3: J7.20 U24.5
B_D4: J7.18 U24.6
B_D5: J7.16 U24.7
B_D6: J7.14 U24.8
B_D7: J7.12 U24.9
B_INT: J6.5 J6.6 J6.7 J6.8 J7.10 RR1.4 U4.9
B_NMI: J7.6 RR1.5 U4.13
B_RW: J7.40 U21.18
B_WAIT: J7.8 RR1.3 U21.15
BUS: U13.18 U14.7
BUSAK: U14.17 U20.1 U22.1 U23.1
BUSRQ: U21.3 U27.36
CLK_AUDIO: U1.1 U6.38
CLK_CPU: P5.5 U4.5 U14.1 U18.25 U19.25 U21.6 U27.37
CLK_UART: U15.16 X2.5
COLUMN0: J3.1 U19.2
COLUMN1: J3.2 U19.3
COLUMN2: J3.3 U19.4
COLUMN3: J3.4 U19.5
COLUMN4: J3.5 U19.6
COLUMN5: J3.6 U19.7
COLUMN6: J3.7 U19.8
COLUMN7: J3.8 U19.9
COMP_VID: R1.2 U6.36
CS_RAM: U13.16 U26.22
CS_ROM: U13.15 U28.20
CS_UART: U12.19 U15.14
CS_VDP: U11.2 U11.9 U12.17
CS_VIA1: U12.15 U18.23
CS_VIA2: U12.14 U19.23
CTS: P1.6 U17.13
CTS_TTL: J2.3 U15.36 U17.12
D0: U6.17 U15.1 U18.33 U19.33 U24.18 U26.13 U28.11 U29.11 U31.2
D1: U6.18 U15.2 U18.32 U19.32 U24.17 U26.14 U28.12 U29.12 U31.3